# KiCad board mse-68-vhdci-panel.kicad_pcb (continued)
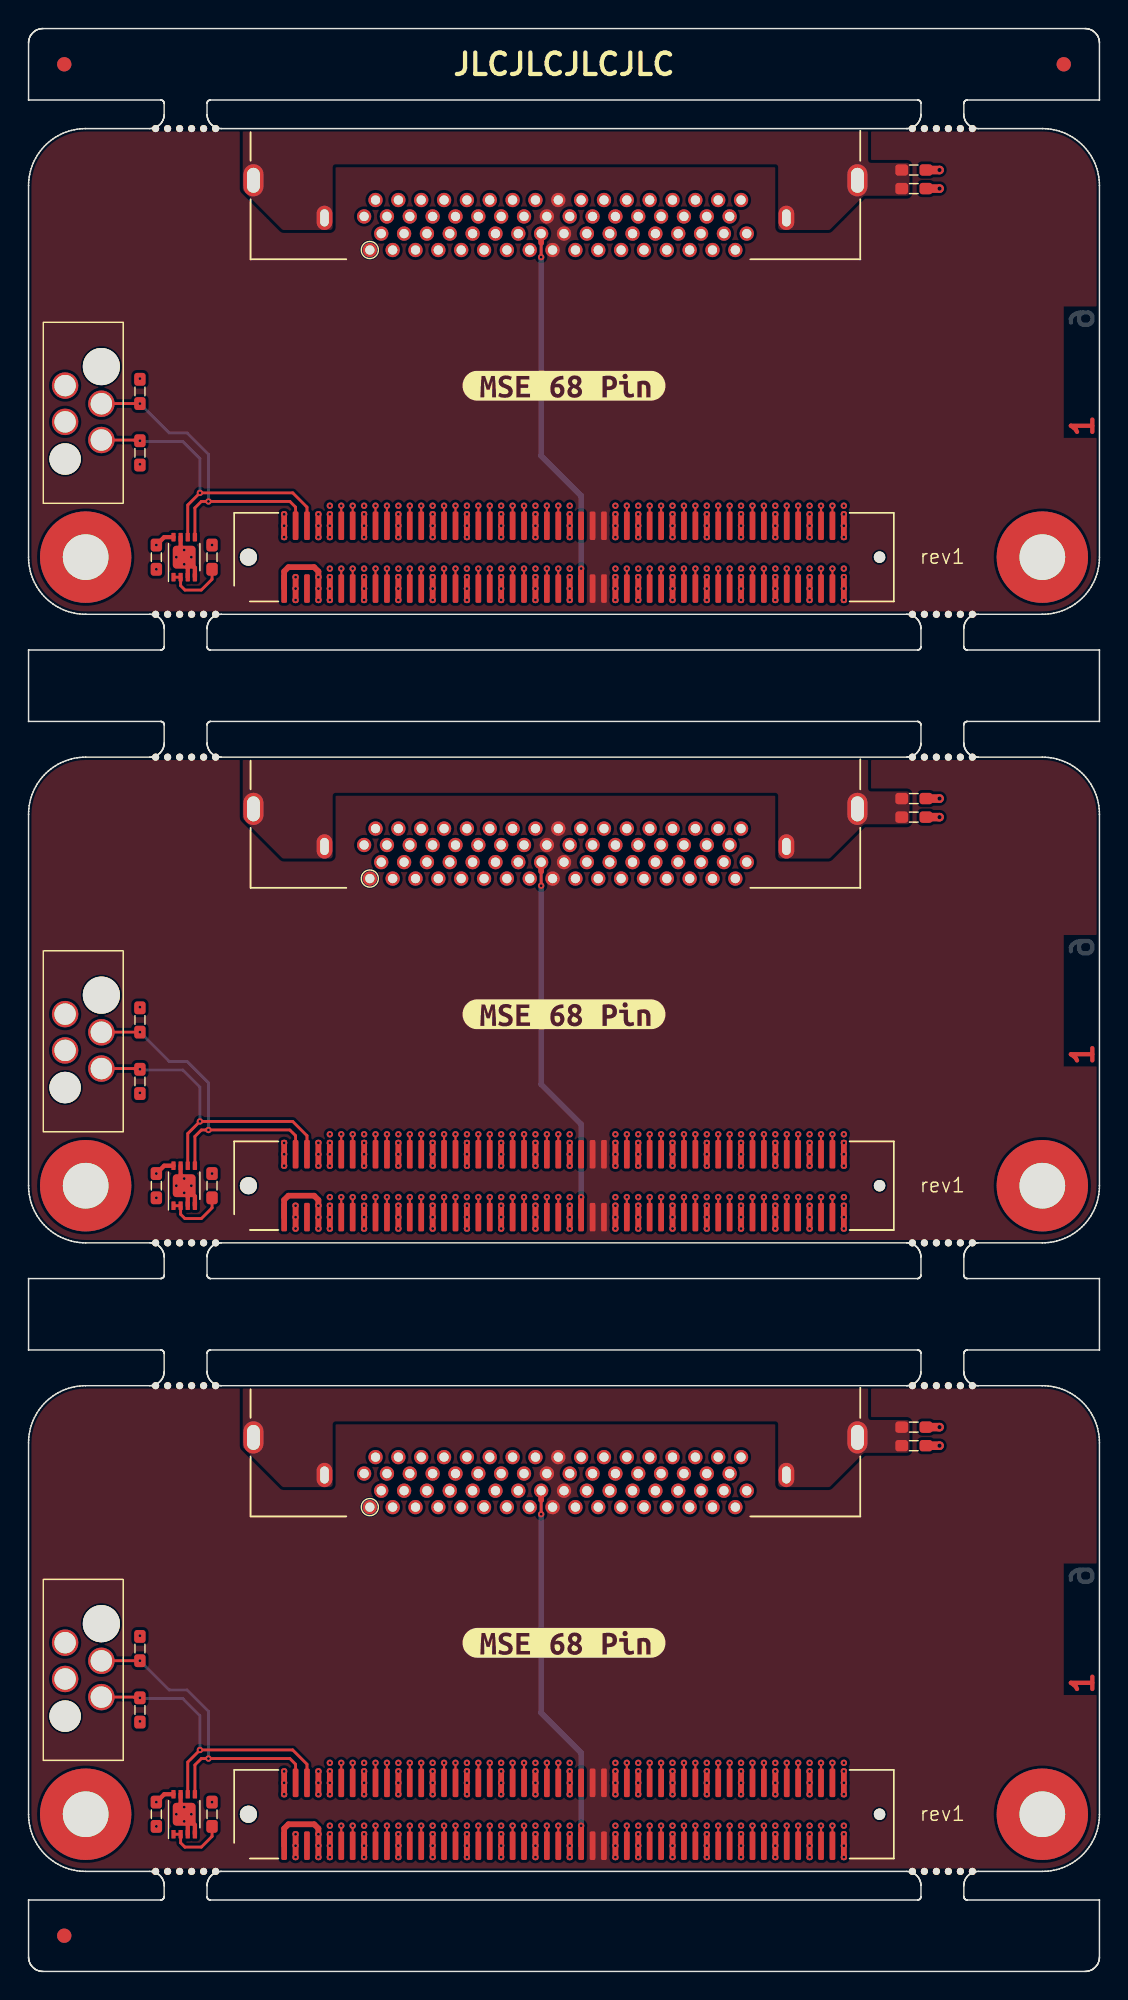
[diagram p0: board, top side]
## Routing (per net, layer and track width the routed paths; a pad name or vN(x,y) marks a point on that pad's centre or on a via; arc(x,y) is an arc through that point) (continued)
Board_0-/CON.DB7+: length 29.6
  Top w0.151: J1#2.47 v1(36.3,98.2)
  In3.Cu w0.151: v1(36.3,98.2) 36,98.5 36,102.9 34.1,104.8 34.1,106 arc(34.03,106.16) 33.88,106.22 arc(33.72,106.29) 33.65,106.45 33.65,106.6 arc(33.72,106.76) 33.88,106.82 arc(34.03,106.89) 34.1,107.05 34.1,107.2 arc(34.03,107.36) 33.88,107.42 arc(33.72,107.49) 33.65,107.65 33.65,107.8 arc(33.72,107.96) 33.88,108.02 arc(34.03,108.09) 34.1,108.25 34.1,108.4 arc(34.03,108.56) 33.88,108.62 arc(33.72,108.69) 33.65,108.85 33.65,109 arc(33.72,109.16) 33.88,109.22 arc(34.03,109.29) 34.1,109.45 34.1,109.6 arc(34.03,109.76) 33.88,109.82 arc(33.72,109.89) 33.65,110.05 33.65,110.2 arc(33.72,110.36) 33.88,110.42 arc(34.03,110.49) 34.1,110.65 34.1,110.8 arc(34.03,110.96) 33.88,111.02 arc(33.72,111.09) 33.65,111.25 33.65,111.4 arc(33.72,111.56) 33.88,111.62 arc(34.03,111.69) 34.1,111.85 34.1,112 arc(34.03,112.16) 33.88,112.22 arc(33.72,112.29) 33.65,112.45 33.65,112.6 arc(33.72,112.76) 33.88,112.82 arc(34.03,112.89) 34.1,113.05 34.1,113.2 arc(34.03,113.36) 33.88,113.42 arc(33.72,113.49) 33.65,113.65 33.65,113.8 arc(33.72,113.96) 33.88,114.02 arc(34.03,114.09) 34.1,114.25 34.1,114.4 arc(34.03,114.57) 33.86,114.64 33.84,114.64 arc(33.67,114.71) 33.6,114.88 33.6,115 arc(33.67,115.17) 33.84,115.24 33.86,115.24 arc(34.03,115.31) 34.1,115.48 34.1,115.6 arc(34.03,115.77) 33.86,115.84 33.84,115.84 arc(33.67,115.91) 33.6,116.08 33.6,116.2 arc(33.67,116.37) 33.84,116.44 33.86,116.44 arc(34.03,116.51) 34.1,116.68 34.1,119.9 J4#2.13
Board_0-/CON.DB7-: length 27
  Top w0.151: J1#2.48 v1(36.3,102.6)
  In2.Cu w0.151: v1(36.3,102.6) 34.1,104.8 34.1,106 arc(34.03,106.15) 33.89,106.21 arc(33.74,106.27) 33.67,106.42 33.67,106.6 arc(33.74,106.75) 33.89,106.81 arc(34.03,106.87) 34.1,107.02 34.1,107.2 arc(34.03,107.35) 33.89,107.41 arc(33.74,107.47) 33.67,107.62 33.67,107.8 arc(33.74,107.95) 33.89,108.01 arc(34.03,108.07) 34.1,108.22 34.1,108.4 arc(34.03,108.55) 33.89,108.61 arc(33.74,108.67) 33.67,108.82 33.67,109 arc(33.74,109.15) 33.89,109.21 arc(34.03,109.27) 34.1,109.42 34.1,109.6 arc(34.03,109.75) 33.89,109.81 arc(33.74,109.87) 33.67,110.02 33.67,110.2 arc(33.74,110.35) 33.89,110.41 arc(34.03,110.47) 34.1,110.62 34.1,110.8 arc(34.03,110.95) 33.89,111.01 arc(33.74,111.07) 33.67,111.22 33.67,111.4 arc(33.74,111.55) 33.89,111.61 arc(34.03,111.67) 34.1,111.82 34.1,112 arc(34.03,112.15) 33.89,112.21 arc(33.74,112.27) 33.67,112.42 33.67,112.6 arc(33.74,112.75) 33.89,112.81 arc(34.03,112.87) 34.1,113.02 34.1,113.2 arc(34.03,113.37) 33.86,113.44 33.85,113.44 arc(33.68,113.51) 33.61,113.68 33.61,113.8 arc(33.68,113.97) 33.85,114.04 33.86,114.04 arc(34.03,114.11) 34.1,114.28 34.1,114.4 arc(34.03,114.57) 33.86,114.64 33.85,114.64 arc(33.68,114.71) 33.61,114.88 33.61,115 arc(33.68,115.17) 33.85,115.24 33.86,115.24 arc(34.03,115.31) 34.1,115.48 34.1,120.66 33.3,121.46 33.3,122 33.1,122.2 J4#2.47
Board_0-/CON.DB8+: length 29.6
  Top w0.151: J1#2.89 v1(53.1,98.2)
  In3.Cu w0.151: J4#2.31 48.5,119.9 48.5,118.46 arc(48.43,118.3) 48.27,118.23 arc(48.11,118.16) 48.04,118 48.04,117.86 arc(48.11,117.7) 48.27,117.63 arc(48.43,117.56) 48.5,117.4 48.5,117.26 arc(48.43,117.1) 48.27,117.03 arc(48.11,116.96) 48.04,116.8 48.04,116.66 arc(48.11,116.5) 48.27,116.43 arc(48.43,116.36) 48.5,116.2 48.5,116 arc(48.44,115.86) 48.3,115.8 arc(48.16,115.74) 48.11,115.6 48.11,115.4 arc(48.16,115.26) 48.3,115.2 arc(48.44,115.14) 48.5,115 48.5,114.8 arc(48.44,114.66) 48.3,114.6 arc(48.16,114.54) 48.11,114.4 48.11,114.2 arc(48.16,114.06) 48.3,114 arc(48.44,113.94) 48.5,113.8 48.5,113.6 arc(48.44,113.46) 48.3,113.4 arc(48.16,113.34) 48.11,113.2 48.11,113 arc(48.16,112.86) 48.3,112.8 arc(48.44,112.74) 48.5,112.6 48.5,112.4 arc(48.44,112.26) 48.3,112.2 arc(48.16,112.14) 48.11,112 48.11,111.8 arc(48.16,111.66) 48.3,111.6 arc(48.44,111.54) 48.5,111.4 48.5,111.2 arc(48.44,111.06) 48.3,111 arc(48.16,110.94) 48.11,110.8 48.11,110.6 arc(48.16,110.46) 48.3,110.4 arc(48.44,110.34) 48.5,110.2 48.5,110 arc(48.44,109.86) 48.3,109.8 arc(48.16,109.74) 48.11,109.6 48.11,109.4 arc(48.16,109.26) 48.3,109.2 arc(48.44,109.14) 48.5,109 48.5,107.2 52.8,102.9 52.8,98.5 v1(53.1,98.2)
Board_0-/CON.DB8-: length 27
  Top w0.151: J1#2.90 v1(53.1,102.6)
  In2.Cu w0.151: J4#2.65 47.5,122.2 47.7,122 47.7,121.48 48.5,120.68 48.5,116.08 arc(48.43,115.91) 48.26,115.84 48.25,115.84 arc(48.08,115.77) 48.01,115.6 48.01,115.48 arc(48.08,115.31) 48.25,115.24 48.26,115.24 arc(48.43,115.17) 48.5,115 48.5,114.88 arc(48.43,114.71) 48.26,114.64 48.25,114.64 arc(48.08,114.57) 48.01,114.4 48.01,114.28 arc(48.08,114.11) 48.25,114.04 48.26,114.04 arc(48.43,113.97) 48.5,113.8 48.5,113.58 arc(48.45,113.44) 48.31,113.39 arc(48.18,113.33) 48.13,113.2 48.13,112.98 arc(48.18,112.84) 48.31,112.79 arc(48.45,112.73) 48.5,112.6 48.5,112.43 arc(48.44,112.28) 48.29,112.21 arc(48.14,112.15) 48.08,112 48.08,111.83 arc(48.14,111.68) 48.29,111.61 arc(48.44,111.55) 48.5,111.4 48.5,111.23 arc(48.44,111.08) 48.29,111.01 arc(48.14,110.95) 48.08,110.8 48.08,110.63 arc(48.14,110.48) 48.29,110.41 arc(48.44,110.35) 48.5,110.2 48.5,110.03 arc(48.44,109.88) 48.29,109.81 arc(48.14,109.75) 48.08,109.6 48.08,109.43 arc(48.14,109.28) 48.29,109.21 arc(48.44,109.15) 48.5,109 48.5,107.2 v1(53.1,102.6)
Board_0-/CON.DB9+: length 29.6
  Top w0.151: J1#2.91 v1(53.9,98.2)
  In3.Cu w0.151: J4#2.32 48.7,120.3 48.9,120.1 48.9,115.98 arc(48.96,115.85) 49.09,115.79 arc(49.22,115.74) 49.28,115.6 49.28,115.38 arc(49.22,115.25) 49.09,115.19 arc(48.96,115.14) 48.9,115 48.9,114.78 arc(48.96,114.65) 49.09,114.59 arc(49.22,114.54) 49.28,114.4 49.28,114.18 arc(49.22,114.05) 49.09,113.99 arc(48.96,113.94) 48.9,113.8 48.9,113.58 arc(48.96,113.45) 49.09,113.39 arc(49.22,113.34) 49.28,113.2 49.28,112.98 arc(49.22,112.85) 49.09,112.79 arc(48.96,112.74) 48.9,112.6 48.9,112.38 arc(48.96,112.25) 49.09,112.19 arc(49.22,112.14) 49.28,112 49.28,111.78 arc(49.22,111.65) 49.09,111.59 arc(48.96,111.54) 48.9,111.4 48.9,111.18 arc(48.96,111.05) 49.09,110.99 arc(49.22,110.94) 49.28,110.8 49.28,110.58 arc(49.22,110.45) 49.09,110.39 arc(48.96,110.34) 48.9,110.2 48.9,109.98 arc(48.96,109.85) 49.09,109.79 arc(49.22,109.74) 49.28,109.6 49.28,109.38 arc(49.22,109.25) 49.09,109.19 arc(48.96,109.14) 48.9,109 48.9,107.6 53.5,103 53.5,98.6 v1(53.9,98.2)
Board_0-/CON.DB9-: length 27
  Top w0.151: J1#2.92 v1(53.9,102.6)
  In2.Cu w0.151: J4#2.66 48.3,122.2 48.1,122 48.1,121.5 48.9,120.7 48.9,113.53 arc(48.95,113.42) 49.07,113.37 arc(49.18,113.32) 49.23,113.2 49.23,112.93 arc(49.18,112.82) 49.07,112.77 arc(48.95,112.72) 48.9,112.6 48.9,112.38 arc(48.96,112.25) 49.09,112.19 arc(49.22,112.14) 49.28,112 49.28,111.78 arc(49.22,111.65) 49.09,111.59 arc(48.96,111.54) 48.9,111.4 48.9,111.18 arc(48.96,111.05) 49.09,110.99 arc(49.22,110.94) 49.28,110.8 49.28,110.58 arc(49.22,110.45) 49.09,110.39 arc(48.96,110.34) 48.9,110.2 48.9,109.98 arc(48.96,109.85) 49.09,109.79 arc(49.22,109.74) 49.28,109.6 49.28,109.38 arc(49.22,109.25) 49.09,109.19 arc(48.96,109.14) 48.9,109 48.9,107.6 v1(53.9,102.6)
Board_0-/CON.DB10+: length 29.6
  Top w0.151: J1#2.95 v1(55.5,98.2)
  In3.Cu w0.151: J4#2.33 50.1,119.9 50.1,116.08 arc(50.03,115.91) 49.86,115.84 49.85,115.84 arc(49.68,115.77) 49.61,115.6 49.61,115.48 arc(49.68,115.31) 49.85,115.24 49.86,115.24 arc(50.03,115.17) 50.1,115 50.1,114.88 arc(50.03,114.71) 49.86,114.64 49.85,114.64 arc(49.68,114.57) 49.61,114.4 49.61,114.28 arc(49.68,114.11) 49.85,114.04 49.86,114.04 arc(50.03,113.97) 50.1,113.8 50.1,113.68 arc(50.03,113.51) 49.86,113.44 49.85,113.44 arc(49.68,113.37) 49.61,113.2 49.61,113.08 arc(49.68,112.91) 49.85,112.84 49.86,112.84 arc(50.03,112.77) 50.1,112.6 50.1,112.48 arc(50.03,112.31) 49.86,112.24 49.85,112.24 arc(49.68,112.17) 49.61,112 49.61,111.88 arc(49.68,111.71) 49.85,111.64 49.86,111.64 arc(50.03,111.57) 50.1,111.4 50.1,111.28 arc(50.03,111.11) 49.86,111.04 49.85,111.04 arc(49.68,110.97) 49.61,110.8 49.61,110.68 arc(49.68,110.51) 49.85,110.44 49.86,110.44 arc(50.03,110.37) 50.1,110.2 50.1,110.08 arc(50.03,109.91) 49.86,109.84 49.85,109.84 arc(49.68,109.77) 49.61,109.6 49.61,109.48 arc(49.68,109.31) 49.85,109.24 49.86,109.24 arc(50.03,109.17) 50.1,109 50.1,108 55.2,102.9 55.2,98.5 v1(55.5,98.2)
Board_0-/CON.DB10-: length 27
  Top w0.151: J1#2.96 v1(55.5,102.6)
  In2.Cu w0.151: v1(55.5,102.6) 50.1,108 50.1,109 arc(50.03,109.17) 49.87,109.24 arc(49.7,109.3) 49.63,109.47 49.63,109.6 arc(49.7,109.77) 49.87,109.84 arc(50.03,109.9) 50.1,110.07 50.1,110.2 arc(50.03,110.37) 49.87,110.44 arc(49.7,110.5) 49.63,110.67 49.63,110.8 arc(49.7,110.97) 49.87,111.04 arc(50.03,111.1) 50.1,111.27 50.1,111.4 arc(50.03,111.57) 49.87,111.64 arc(49.7,111.7) 49.63,111.87 49.63,112 arc(49.7,112.17) 49.87,112.24 arc(50.03,112.3) 50.1,112.47 50.1,112.6 arc(50.03,112.77) 49.87,112.84 arc(49.7,112.9) 49.63,113.07 49.63,113.2 arc(49.7,113.37) 49.87,113.44 arc(50.03,113.5) 50.1,113.67 50.1,113.8 arc(50.03,113.97) 49.87,114.04 arc(49.7,114.1) 49.63,114.27 49.63,114.4 arc(49.7,114.57) 49.87,114.64 arc(50.03,114.7) 50.1,114.87 50.1,120.68 49.3,121.48 49.3,122 49.1,122.2 J4#2.67
Board_0-/CON.DB11+: length 29.6
  Top w0.151: J1#2.97 v1(56.3,98.2)
  In3.Cu w0.151: J4#2.34 50.3,120.3 50.5,120.1 50.5,113.68 arc(50.57,113.51) 50.74,113.44 50.75,113.44 arc(50.92,113.37) 50.99,113.2 50.99,113.08 arc(50.92,112.91) 50.75,112.84 50.74,112.84 arc(50.57,112.77) 50.5,112.6 50.5,112.48 arc(50.57,112.31) 50.74,112.24 50.75,112.24 arc(50.92,112.17) 50.99,112 50.99,111.88 arc(50.92,111.71) 50.75,111.64 50.74,111.64 arc(50.57,111.57) 50.5,111.4 50.5,111.28 arc(50.57,111.11) 50.74,111.04 50.75,111.04 arc(50.92,110.97) 50.99,110.8 50.99,110.68 arc(50.92,110.51) 50.75,110.44 50.74,110.44 arc(50.57,110.37) 50.5,110.2 50.5,110.08 arc(50.57,109.91) 50.74,109.84 50.75,109.84 arc(50.92,109.77) 50.99,109.6 50.99,109.48 arc(50.92,109.31) 50.75,109.24 50.74,109.24 arc(50.57,109.17) 50.5,109 50.5,108.4 55.9,103 55.9,98.6 v1(56.3,98.2)
Board_0-/CON.DB11-: length 27
  Top w0.151: J1#2.98 v1(56.3,102.6)
  In2.Cu w0.151: v1(56.3,102.6) 50.5,108.4 50.5,109 arc(50.56,109.14) 50.7,109.2 arc(50.84,109.26) 50.89,109.4 50.89,109.6 arc(50.84,109.74) 50.7,109.8 arc(50.56,109.86) 50.5,110 50.5,110.2 arc(50.56,110.34) 50.7,110.4 arc(50.84,110.46) 50.89,110.6 50.89,110.8 arc(50.84,110.94) 50.7,111 arc(50.56,111.06) 50.5,111.2 50.5,111.4 arc(50.56,111.54) 50.7,111.6 arc(50.84,111.66) 50.89,111.8 50.89,112 arc(50.84,112.14) 50.7,112.2 arc(50.56,112.26) 50.5,112.4 50.5,120.7 49.7,121.5 49.7,122 49.9,122.2 J4#2.68
Board_0-/CON.DB12+: length 29.6
  Top w0.151: J1#2.11 v1(21.9,98.2)
  In3.Cu w0.151: J4#2.1 24.5,119.9 24.5,115.48 arc(24.43,115.31) 24.26,115.24 24.25,115.24 arc(24.08,115.17) 24.01,115 24.01,114.88 arc(24.08,114.71) 24.25,114.64 24.26,114.64 arc(24.43,114.57) 24.5,114.4 24.5,114.28 arc(24.43,114.11) 24.26,114.04 24.25,114.04 arc(24.08,113.97) 24.01,113.8 24.01,113.68 arc(24.08,113.51) 24.25,113.44 24.26,113.44 arc(24.43,113.37) 24.5,113.2 24.5,113.08 arc(24.43,112.91) 24.26,112.84 24.25,112.84 arc(24.08,112.77) 24.01,112.6 24.01,112.48 arc(24.08,112.31) 24.25,112.24 24.26,112.24 arc(24.43,112.17) 24.5,112 24.5,111.88 arc(24.43,111.71) 24.26,111.64 24.25,111.64 arc(24.08,111.57) 24.01,111.4 24.01,111.28 arc(24.08,111.11) 24.25,111.04 24.26,111.04 arc(24.43,110.97) 24.5,110.8 24.5,110.68 arc(24.43,110.51) 24.26,110.44 24.25,110.44 arc(24.08,110.37) 24.01,110.2 24.01,110.08 arc(24.08,109.91) 24.25,109.84 24.26,109.84 arc(24.43,109.77) 24.5,109.6 24.5,109.48 arc(24.43,109.31) 24.26,109.24 24.25,109.24 arc(24.08,109.17) 24.01,109 24.01,108.88 arc(24.08,108.71) 24.25,108.64 24.26,108.64 arc(24.43,108.57) 24.5,108.4 24.5,108.28 arc(24.43,108.11) 24.26,108.04 24.25,108.04 arc(24.08,107.97) 24.01,107.8 24.01,107.68 arc(24.08,107.51) 24.25,107.44 24.26,107.44 arc(24.43,107.37) 24.5,107.2 24.5,107.08 arc(24.43,106.91) 24.26,106.84 24.25,106.84 arc(24.08,106.77) 24.01,106.6 24.01,106.48 arc(24.08,106.31) 24.25,106.24 24.26,106.24 arc(24.43,106.17) 24.5,106 24.5,105.2 22.3,103 22.3,98.6 v1(21.9,98.2)
Board_0-/CON.DB12-: length 27
  Top w0.151: J1#2.12 v1(21.9,102.6)
  In2.Cu w0.151: v1(21.9,102.6) 24.5,105.2 24.5,106 arc(24.43,106.17) 24.26,106.24 arc(24.09,106.31) 24.02,106.48 24.02,106.6 arc(24.09,106.77) 24.26,106.84 arc(24.43,106.91) 24.5,107.08 24.5,107.2 arc(24.43,107.37) 24.26,107.44 arc(24.09,107.51) 24.02,107.68 24.02,107.8 arc(24.09,107.97) 24.26,108.04 arc(24.43,108.11) 24.5,108.28 24.5,108.4 arc(24.43,108.57) 24.26,108.64 arc(24.09,108.71) 24.02,108.88 24.02,109 arc(24.09,109.17) 24.26,109.24 arc(24.43,109.31) 24.5,109.48 24.5,109.6 arc(24.43,109.77) 24.26,109.84 arc(24.09,109.91) 24.02,110.08 24.02,110.2 arc(24.09,110.37) 24.26,110.44 arc(24.43,110.51) 24.5,110.68 24.5,110.8 arc(24.43,110.97) 24.26,111.04 arc(24.09,111.11) 24.02,111.28 24.02,111.4 arc(24.09,111.57) 24.26,111.64 arc(24.43,111.71) 24.5,111.88 24.5,112 arc(24.43,112.17) 24.26,112.24 arc(24.09,112.31) 24.02,112.48 24.02,112.6 arc(24.09,112.77) 24.26,112.84 arc(24.43,112.91) 24.5,113.08 24.5,113.2 arc(24.43,113.37) 24.26,113.44 arc(24.09,113.51) 24.02,113.68 24.02,113.8 arc(24.09,113.97) 24.26,114.04 arc(24.43,114.11) 24.5,114.28 24.5,120.65 23.7,121.45 23.7,122 23.5,122.2 J4#2.35
Board_0-/CON.DB13+: length 29.6
  Top w0.151: J1#2.13 v1(22.7,98.2)
  In3.Cu w0.151: v1(22.7,98.2) 23.01,98.51 23.01,102.91 24.9,104.8 24.9,106 arc(24.97,106.17) 25.13,106.24 arc(25.3,106.31) 25.37,106.47 25.37,106.6 arc(25.3,106.77) 25.13,106.84 arc(24.97,106.91) 24.9,107.07 24.9,107.2 arc(24.97,107.37) 25.13,107.44 arc(25.3,107.51) 25.37,107.67 25.37,107.8 arc(25.3,107.97) 25.13,108.04 arc(24.97,108.11) 24.9,108.27 24.9,108.4 arc(24.97,108.57) 25.13,108.64 arc(25.3,108.71) 25.37,108.87 25.37,109 arc(25.3,109.17) 25.13,109.24 arc(24.97,109.31) 24.9,109.47 24.9,109.6 arc(24.97,109.77) 25.13,109.84 arc(25.3,109.91) 25.37,110.07 25.37,110.2 arc(25.3,110.37) 25.13,110.44 arc(24.97,110.51) 24.9,110.67 24.9,110.8 arc(24.97,110.97) 25.13,111.04 arc(25.3,111.11) 25.37,111.27 25.37,111.4 arc(25.3,111.57) 25.13,111.64 arc(24.97,111.71) 24.9,111.87 24.9,112 arc(24.97,112.17) 25.13,112.24 arc(25.3,112.31) 25.37,112.47 25.37,112.6 arc(25.3,112.77) 25.13,112.84 arc(24.97,112.91) 24.9,113.07 24.9,113.2 arc(24.97,113.37) 25.13,113.44 arc(25.3,113.51) 25.37,113.67 25.37,113.8 arc(25.3,113.97) 25.13,114.04 arc(24.97,114.11) 24.9,114.27 24.9,120.1 24.7,120.3 J4#2.2
Board_0-/CON.DB13-: length 27
  Top w0.151: J1#2.14 v1(22.7,102.6)
  In2.Cu w0.151: v1(22.7,102.6) 24.9,104.8 24.9,106 arc(24.97,106.17) 25.14,106.24 25.15,106.24 arc(25.32,106.31) 25.39,106.48 25.39,106.6 arc(25.32,106.77) 25.15,106.84 25.14,106.84 arc(24.97,106.91) 24.9,107.08 24.9,107.2 arc(24.97,107.37) 25.14,107.44 25.15,107.44 arc(25.32,107.51) 25.39,107.68 25.39,107.8 arc(25.32,107.97) 25.15,108.04 25.14,108.04 arc(24.97,108.11) 24.9,108.28 24.9,108.4 arc(24.97,108.57) 25.14,108.64 25.15,108.64 arc(25.32,108.71) 25.39,108.88 25.39,109 arc(25.32,109.17) 25.15,109.24 25.14,109.24 arc(24.97,109.31) 24.9,109.48 24.9,109.6 arc(24.97,109.77) 25.14,109.84 25.15,109.84 arc(25.32,109.91) 25.39,110.08 25.39,110.2 arc(25.32,110.37) 25.15,110.44 25.14,110.44 arc(24.97,110.51) 24.9,110.68 24.9,110.8 arc(24.97,110.97) 25.14,111.04 25.15,111.04 arc(25.32,111.11) 25.39,111.28 25.39,111.4 arc(25.32,111.57) 25.15,111.64 25.14,111.64 arc(24.97,111.71) 24.9,111.88 24.9,120.69 24.1,121.49 24.1,122 24.3,122.2 J4#2.36
Board_0-/CON.DB14+: length 29.6
  Top w0.151: J1#2.17 v1(24.3,98.2)
  In3.Cu w0.151: J4#2.3 26.1,119.9 26.1,117.88 arc(26.03,117.71) 25.86,117.64 arc(25.69,117.57) 25.62,117.4 25.62,117.28 arc(25.69,117.11) 25.86,117.04 arc(26.03,116.97) 26.1,116.8 26.1,116.68 arc(26.03,116.51) 25.86,116.44 arc(25.69,116.37) 25.63,116.2 25.63,116.08 arc(25.69,115.91) 25.86,115.84 arc(26.03,115.77) 26.1,115.6 26.1,115.48 arc(26.03,115.31) 25.86,115.24 arc(25.69,115.17) 25.63,115 25.63,114.88 arc(25.69,114.71) 25.86,114.64 arc(26.03,114.57) 26.1,114.4 26.1,114.21 arc(26.04,114.07) 25.9,114.01 arc(25.75,113.95) 25.69,113.8 25.69,113.61 arc(25.75,113.47) 25.9,113.41 arc(26.04,113.35) 26.1,113.2 26.1,113.01 arc(26.04,112.87) 25.9,112.81 arc(25.75,112.75) 25.69,112.6 25.69,112.41 arc(25.75,112.27) 25.9,112.21 arc(26.04,112.15) 26.1,112 26.1,111.81 arc(26.04,111.67) 25.9,111.61 arc(25.75,111.55) 25.69,111.4 25.69,111.21 arc(25.75,111.07) 25.9,111.01 arc(26.04,110.95) 26.1,110.8 26.1,110.61 arc(26.04,110.47) 25.9,110.41 arc(25.75,110.35) 25.69,110.2 25.69,110.01 arc(25.75,109.87) 25.9,109.81 arc(26.04,109.75) 26.1,109.6 26.1,109.41 arc(26.04,109.27) 25.9,109.21 arc(25.75,109.15) 25.69,109 25.69,108.81 arc(25.75,108.67) 25.9,108.61 arc(26.04,108.55) 26.1,108.4 26.1,108.21 arc(26.04,108.07) 25.9,108.01 arc(25.75,107.95) 25.69,107.8 25.69,107.61 arc(25.75,107.47) 25.9,107.41 arc(26.04,107.35) 26.1,107.2 26.1,107.01 arc(26.04,106.87) 25.9,106.81 arc(25.75,106.75) 25.69,106.6 25.69,106.41 arc(25.75,106.27) 25.9,106.21 arc(26.04,106.15) 26.1,106 26.1,104.4 24.7,103 24.7,98.6 v1(24.3,98.2)
Board_0-/CON.DB14-: length 27
  Top w0.151: J1#2.18 v1(24.3,102.6)
  In2.Cu w0.151: v1(24.3,102.6) 26.1,104.4 26.1,106 arc(26.05,106.13) 25.92,106.18 arc(25.8,106.23) 25.75,106.36 25.75,106.6 arc(25.8,106.73) 25.92,106.78 arc(26.05,106.83) 26.1,106.96 26.1,107.2 arc(26.05,107.33) 25.92,107.38 arc(25.8,107.43) 25.75,107.56 25.75,107.8 arc(25.8,107.93) 25.92,107.98 arc(26.05,108.03) 26.1,108.16 26.1,108.4 arc(26.05,108.53) 25.92,108.58 arc(25.8,108.63) 25.75,108.76 25.75,109 arc(25.8,109.13) 25.92,109.18 arc(26.05,109.23) 26.1,109.36 26.1,109.6 arc(26.05,109.73) 25.92,109.78 arc(25.8,109.83) 25.75,109.96 25.75,110.2 arc(25.8,110.33) 25.92,110.38 arc(26.05,110.43) 26.1,110.56 26.1,110.8 arc(26.05,110.93) 25.92,110.98 arc(25.8,111.03) 25.75,111.16 25.75,111.4 arc(25.8,111.53) 25.92,111.58 arc(26.05,111.63) 26.1,111.76 26.1,112 arc(26.03,112.17) 25.87,112.24 arc(25.7,112.3) 25.63,112.47 25.63,112.6 arc(25.7,112.77) 25.87,112.84 arc(26.03,112.9) 26.1,113.07 26.1,113.2 arc(26.03,113.37) 25.87,113.44 arc(25.7,113.5) 25.63,113.67 25.63,113.8 arc(25.7,113.97) 25.87,114.04 arc(26.03,114.1) 26.1,114.27 26.1,114.4 arc(26.03,114.57) 25.87,114.64 arc(25.7,114.7) 25.63,114.87 25.63,115 arc(25.7,115.17) 25.87,115.24 arc(26.03,115.3) 26.1,115.47 26.1,115.6 arc(26.03,115.77) 25.87,115.84 arc(25.7,115.9) 25.63,116.07 25.63,116.2 arc(25.7,116.37) 25.87,116.44 arc(26.03,116.5) 26.1,116.67 26.1,120.65 25.3,121.45 25.3,122 25.1,122.2 J4#2.37
Board_0-/CON.DB15+: length 29.6
  Top w0.151: J1#2.19 v1(25.1,98.2)
  In3.Cu w0.151: v1(25.1,98.2) 25.4,98.5 25.4,102.9 26.5,104 26.5,106 arc(26.57,106.17) 26.74,106.24 26.76,106.24 arc(26.93,106.31) 27,106.48 27,106.6 arc(26.93,106.77) 26.76,106.84 26.74,106.84 arc(26.57,106.91) 26.5,107.08 26.5,107.2 arc(26.57,107.37) 26.74,107.44 26.76,107.44 arc(26.93,107.51) 27,107.68 27,107.8 arc(26.93,107.97) 26.76,108.04 26.74,108.04 arc(26.57,108.11) 26.5,108.28 26.5,108.4 arc(26.57,108.57) 26.74,108.64 26.76,108.64 arc(26.93,108.71) 27,108.88 27,109 arc(26.93,109.17) 26.76,109.24 26.74,109.24 arc(26.57,109.31) 26.5,109.48 26.5,109.6 arc(26.57,109.77) 26.74,109.84 26.76,109.84 arc(26.93,109.91) 27,110.08 27,110.2 arc(26.93,110.37) 26.76,110.44 26.74,110.44 arc(26.57,110.51) 26.5,110.68 26.5,110.8 arc(26.57,110.97) 26.74,111.04 26.76,111.04 arc(26.93,111.11) 27,111.28 27,111.4 arc(26.93,111.57) 26.76,111.64 26.74,111.64 arc(26.57,111.71) 26.5,111.88 26.5,112 arc(26.57,112.17) 26.74,112.24 26.76,112.24 arc(26.93,112.31) 27,112.48 27,112.6 arc(26.93,112.77) 26.76,112.84 26.74,112.84 arc(26.57,112.91) 26.5,113.08 26.5,113.2 arc(26.57,113.37) 26.74,113.44 26.76,113.44 arc(26.93,113.51) 27,113.68 27,113.8 arc(26.93,113.97) 26.76,114.04 26.74,114.04 arc(26.57,114.11) 26.5,114.28 26.5,120.1 26.3,120.3 J4#2.4
Board_0-/CON.DB15-: length 27
  Top w0.151: J1#2.20 v1(25.1,102.6)
  In2.Cu w0.151: J4#2.38 25.9,122.2 25.7,122 25.7,121.49 26.5,120.69 26.5,113.07 arc(26.57,112.9) 26.73,112.83 arc(26.9,112.77) 26.96,112.6 26.96,112.47 arc(26.9,112.3) 26.73,112.23 arc(26.57,112.17) 26.5,112 26.5,111.87 arc(26.57,111.7) 26.73,111.63 arc(26.9,111.57) 26.96,111.4 26.96,111.27 arc(26.9,111.1) 26.73,111.03 arc(26.57,110.97) 26.5,110.8 26.5,110.67 arc(26.57,110.5) 26.73,110.43 arc(26.9,110.37) 26.96,110.2 26.96,110.07 arc(26.9,109.9) 26.73,109.83 arc(26.57,109.77) 26.5,109.6 26.5,109.47 arc(26.57,109.3) 26.73,109.23 arc(26.9,109.17) 26.96,109 26.96,108.87 arc(26.9,108.7) 26.73,108.63 arc(26.57,108.57) 26.5,108.4 26.5,108.27 arc(26.57,108.1) 26.73,108.03 arc(26.9,107.97) 26.96,107.8 26.96,107.67 arc(26.9,107.5) 26.73,107.43 arc(26.57,107.37) 26.5,107.2 26.5,107.07 arc(26.57,106.9) 26.73,106.83 arc(26.9,106.77) 26.96,106.6 26.96,106.47 arc(26.9,106.3) 26.73,106.23 arc(26.57,106.17) 26.5,106 26.5,104 v1(25.1,102.6)
Board_0-/CON.DIFFSENSE: length 27.7
  Top w0.2: 35.9,121 v1(35.9,120)
  Top w0.4: J1#2.53 v1(38.7,98.2) ; J4#2.16 35.9,121
  Bottom w0.2: 35.9,121 v1(35.9,120)
  Bottom w0.4: v1(38.7,98.2) 38.7,103.3 35.9,106.1 v1(35.9,120) ; J4#2.16 35.9,121
Board_0-/CON.DP0+: length 29.6
  Top w0.151: J1#2.49 v1(37.1,98.2)
  In3.Cu w0.151: v1(37.1,98.2) 36.7,98.6 36.7,103 34.5,105.2 34.5,106 arc(34.57,106.16) 34.72,106.23 arc(34.88,106.29) 34.95,106.45 34.95,106.6 arc(34.88,106.76) 34.72,106.83 arc(34.57,106.89) 34.5,107.05 34.5,107.2 arc(34.57,107.36) 34.72,107.43 arc(34.88,107.49) 34.95,107.65 34.95,107.8 arc(34.88,107.96) 34.72,108.03 arc(34.57,108.09) 34.5,108.25 34.5,108.4 arc(34.57,108.56) 34.72,108.63 arc(34.88,108.69) 34.95,108.85 34.95,109 arc(34.88,109.16) 34.72,109.23 arc(34.57,109.29) 34.5,109.45 34.5,109.6 arc(34.57,109.76) 34.72,109.83 arc(34.88,109.89) 34.95,110.05 34.95,110.2 arc(34.88,110.36) 34.72,110.43 arc(34.57,110.49) 34.5,110.65 34.5,110.8 arc(34.57,110.96) 34.72,111.03 arc(34.88,111.09) 34.95,111.25 34.95,111.4 arc(34.88,111.56) 34.72,111.63 arc(34.57,111.69) 34.5,111.85 34.5,112 arc(34.57,112.16) 34.72,112.23 arc(34.88,112.29) 34.95,112.45 34.95,112.6 arc(34.88,112.76) 34.72,112.83 arc(34.57,112.89) 34.5,113.05 34.5,113.2 arc(34.57,113.36) 34.72,113.43 arc(34.88,113.49) 34.95,113.65 34.95,113.8 arc(34.88,113.96) 34.72,114.03 arc(34.57,114.09) 34.5,114.25 34.5,120.05 34.3,120.25 J4#2.14
Board_0-/CON.DP0-: length 27
  Top w0.151: J1#2.50 v1(37.1,102.6)
  In2.Cu w0.151: v1(37.1,102.6) 34.5,105.2 34.5,106 arc(34.57,106.17) 34.73,106.24 arc(34.9,106.31) 34.97,106.47 34.97,106.6 arc(34.9,106.77) 34.73,106.84 arc(34.57,106.91) 34.5,107.07 34.5,107.2 arc(34.57,107.37) 34.73,107.44 arc(34.9,107.51) 34.97,107.67 34.97,107.8 arc(34.9,107.97) 34.73,108.04 arc(34.57,108.11) 34.5,108.27 34.5,108.4 arc(34.57,108.57) 34.73,108.64 arc(34.9,108.71) 34.97,108.87 34.97,109 arc(34.9,109.17) 34.73,109.24 arc(34.57,109.31) 34.5,109.47 34.5,109.6 arc(34.57,109.77) 34.73,109.84 arc(34.9,109.91) 34.97,110.07 34.97,110.2 arc(34.9,110.37) 34.73,110.44 arc(34.57,110.51) 34.5,110.67 34.5,110.8 arc(34.57,110.97) 34.73,111.04 arc(34.9,111.11) 34.97,111.27 34.97,111.4 arc(34.9,111.57) 34.73,111.64 arc(34.57,111.71) 34.5,111.87 34.5,120.68 33.7,121.48 33.7,122 33.9,122.2 J4#2.48
Board_0-/CON.DP1+: length 29.6
  Top w0.151: J1#2.23 v1(26.7,98.2)
  In3.Cu w0.151: v1(26.7,98.2) 27.1,98.6 27.1,103 27.7,103.6 27.7,106 arc(27.65,106.13) 27.51,106.19 arc(27.38,106.24) 27.33,106.38 27.33,106.6 arc(27.38,106.73) 27.51,106.79 arc(27.65,106.84) 27.7,106.98 27.7,107.2 arc(27.65,107.33) 27.51,107.39 arc(27.38,107.44) 27.33,107.58 27.33,107.8 arc(27.38,107.93) 27.51,107.99 arc(27.65,108.04) 27.7,108.18 27.7,108.4 arc(27.65,108.53) 27.51,108.59 arc(27.38,108.64) 27.33,108.78 27.33,109 arc(27.38,109.13) 27.51,109.19 arc(27.65,109.24) 27.7,109.38 27.7,109.6 arc(27.65,109.73) 27.51,109.79 arc(27.38,109.84) 27.33,109.98 27.33,110.2 arc(27.38,110.33) 27.51,110.39 arc(27.65,110.44) 27.7,110.58 27.7,110.8 arc(27.65,110.93) 27.51,110.99 arc(27.38,111.04) 27.33,111.18 27.33,111.4 arc(27.38,111.53) 27.51,111.59 arc(27.65,111.64) 27.7,111.78 27.7,112 arc(27.65,112.13) 27.51,112.19 arc(27.38,112.24) 27.33,112.38 27.33,112.6 arc(27.38,112.73) 27.51,112.79 arc(27.65,112.84) 27.7,112.98 27.7,113.2 arc(27.65,113.33) 27.51,113.39 arc(27.38,113.44) 27.33,113.58 27.33,113.8 arc(27.38,113.93) 27.51,113.99 arc(27.65,114.04) 27.7,114.18 27.7,114.4 arc(27.63,114.57) 27.46,114.64 27.45,114.64 arc(27.28,114.71) 27.21,114.88 27.21,115 arc(27.28,115.17) 27.45,115.24 27.46,115.24 arc(27.63,115.31) 27.7,115.48 27.7,115.6 arc(27.63,115.77) 27.46,115.84 27.45,115.84 arc(27.28,115.91) 27.21,116.08 27.21,116.2 arc(27.28,116.37) 27.45,116.44 27.46,116.44 arc(27.63,116.51) 27.7,116.68 27.7,116.8 arc(27.63,116.97) 27.46,117.04 27.45,117.04 arc(27.28,117.11) 27.21,117.28 27.21,117.4 arc(27.28,117.57) 27.45,117.64 27.46,117.64 arc(27.63,117.71) 27.7,117.88 27.7,118 arc(27.63,118.17) 27.46,118.24 27.45,118.24 arc(27.28,118.31) 27.21,118.48 27.21,118.6 arc(27.28,118.77) 27.45,118.84 27.46,118.84 arc(27.63,118.91) 27.7,119.08 27.7,119.9 J4#2.5
Board_0-/CON.DP1-: length 27
  Top w0.151: J1#2.24 v1(26.7,102.6)
  In2.Cu w0.151: J4#2.39 26.7,122.2 26.9,122 26.9,121.45 27.7,120.65 27.7,116.68 arc(27.63,116.51) 27.46,116.44 arc(27.29,116.37) 27.22,116.2 27.22,116.08 arc(27.29,115.91) 27.46,115.84 arc(27.63,115.77) 27.7,115.6 27.7,115.48 arc(27.63,115.31) 27.46,115.24 arc(27.29,115.17) 27.22,115 27.22,114.88 arc(27.29,114.71) 27.46,114.64 arc(27.63,114.57) 27.7,114.4 27.7,114.28 arc(27.63,114.11) 27.46,114.04 arc(27.29,113.97) 27.22,113.8 27.22,113.68 arc(27.29,113.51) 27.46,113.44 arc(27.63,113.37) 27.7,113.2 27.7,113.02 arc(27.64,112.87) 27.49,112.81 arc(27.35,112.75) 27.28,112.6 27.28,112.42 arc(27.35,112.27) 27.49,112.21 arc(27.64,112.15) 27.7,112 27.7,111.82 arc(27.64,111.67) 27.49,111.61 arc(27.35,111.55) 27.28,111.4 27.28,111.22 arc(27.35,111.07) 27.49,111.01 arc(27.64,110.95) 27.7,110.8 27.7,110.62 arc(27.64,110.47) 27.49,110.41 arc(27.35,110.35) 27.28,110.2 27.28,110.02 arc(27.35,109.87) 27.49,109.81 arc(27.64,109.75) 27.7,109.6 27.7,109.42 arc(27.64,109.27) 27.49,109.21 arc(27.35,109.15) 27.28,109 27.28,108.82 arc(27.35,108.67) 27.49,108.61 arc(27.64,108.55) 27.7,108.4 27.7,108.22 arc(27.64,108.07) 27.49,108.01 arc(27.35,107.95) 27.28,107.8 27.28,107.62 arc(27.35,107.47) 27.49,107.41 arc(27.64,107.35) 27.7,107.2 27.7,107.02 arc(27.64,106.87) 27.49,106.81 arc(27.35,106.75) 27.28,106.6 27.28,106.42 arc(27.35,106.27) 27.49,106.21 arc(27.64,106.15) 27.7,106 27.7,103.6 v1(26.7,102.6)